# Altium PCB SmartHaloFF.PcbDoc (part 3 of 4) (continued)
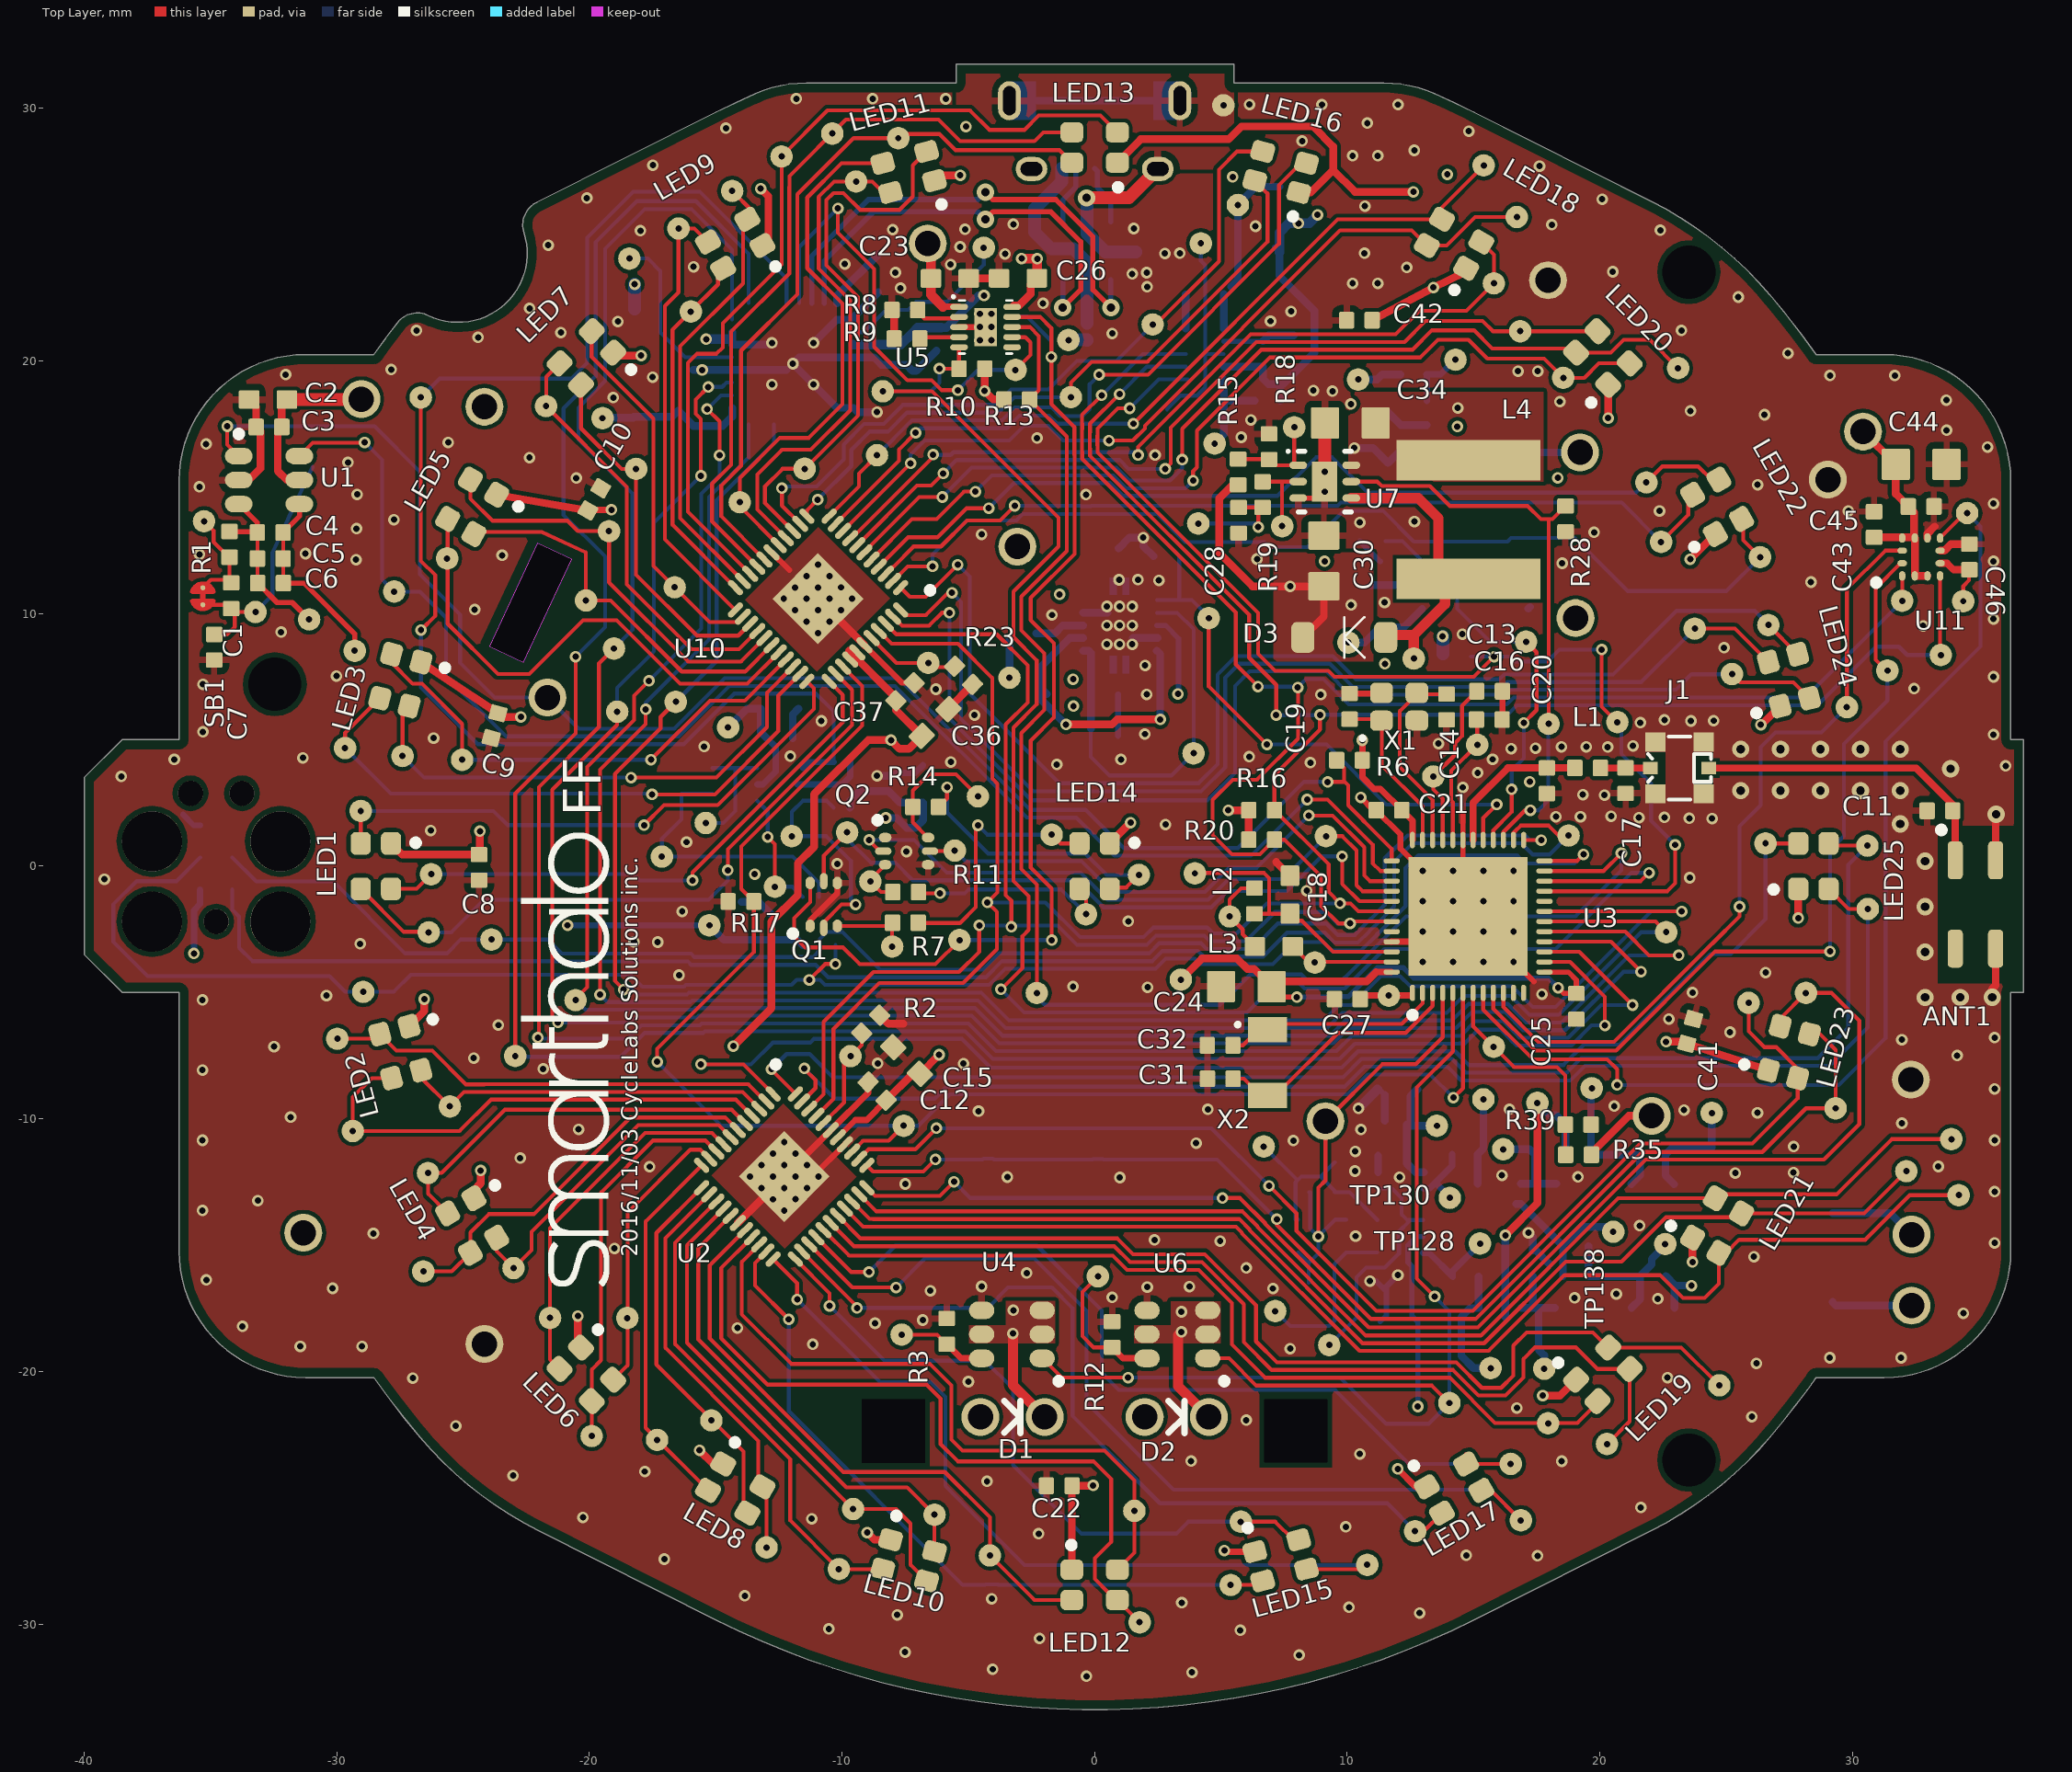
[diagram p0: Top Layer view]
## Nets (pads, with @x,y where several pads share a name; then routed paths per layer and width w, separated by ;. In a path a pad name is that pad's centre, name@x,y a point inside that pad or via, vN(x,y) a via of type N, cw(c..) or ccw(c..) an arc to the next point about the centre after c; other vN are vias at no path point) (continued)
  Bottom Layer w0.152: TP83.1@-29.67,4.676 -27.861,2.868 v1@-17.546,2.868
OUT70: LED1.2 TP82.1 U10.33 | length 22.6
  Top Layer w0.152: TP82.1@-29.05,2.184 LED1.2@-29.05,0.9 LED1.2@-29.019,0.93 ; v1(-17.836,1.626) -17.043,2.418 -14.922,2.418 -11.115,6.226 -11.115,7.037 U10.33@-11.392,7.314
  Bottom Layer w0.152: TP82.1@-29.05,2.184 -23.795,2.184 -23.236,1.626 v1(-17.836,1.626)
OUT71: LED1.4 TP81.1 U10.34 | length 22.8
  Top Layer w0.152: LED1.4@-27.85,-0.9 -26.844,-0.9 TP81.1@-26.261,-0.318 ; v1(-15.918,-0.561) -15.918,-0.249 -9.975,5.695 -9.975,6.78 U10.34@-10.501,7.307
  Bottom Layer w0.152: TP81.1@-26.261,-0.318 -18.245,-0.318 -18.001,-0.561 v1(-15.918,-0.561)
OUT72: LED1.3 TP80.1 U10.35 | length 26.6
  Top Layer w0.152: LED1.3@-29.05,-0.9 -27.352,-2.598 -26.38,-2.598 TP80.1@-26.36,-2.619 ; v1(-14.521,-0.16) -14.521,0.674 -9.606,5.589 -9.606,6.978 U10.35@-10.243,7.614
  Bottom Layer w0.152: TP80.1@-26.36,-2.619 -25.466,-2.619 -24.178,-1.331 -15.283,-1.331 -14.521,-0.569 v1(-14.521,-0.16)
P0.09/NFC1: U3.11
P0.10/NFC2: U3.12
P\G\: R10.1 TP149.1 U3.22 U5.5 | length 67.2
  Top Layer w0.152: TP149.1@-8.385,18.799 -6.441,18.799 -1.433,13.79 -1.433,12.654 -3.213,10.874 -3.213,9.07 -2.297,8.154 -2.297,6.401 -3.213,5.485 -3.213,-0.584 -2.614,-1.184 -2.614,-2.523 -2.855,-2.764 -2.855,-4.028 v1(-3.706,-4.879) ; v1(-6.144,19.693) R10.1@-5.37,19.693 U5.5@-5.37,20.539 ; U3.22@17.805,-0.591 21.616,-0.591 v1(21.943,-0.264)
  Bottom Layer w0.152: TP149.1@-8.385,18.799 -6.48,18.799 -6.144,19.134 v1(-6.144,19.693) ; v1(-3.706,-4.879) -2.789,-5.796 6.032,-5.796 7.234,-4.595 8.061,-4.595 8.305,-4.839 9.901,-4.839 10.196,-4.544 10.202,-4.544 11.467,-3.279 18.24,-3.279 21.255,-0.264 v1(21.943,-0.264)
PRETERM: R9.1 U5.4 | length 1.6
  Top Layer w0.152: R9.1@-6.919,20.881 -6.859,20.941 U5.4@-5.368,20.941
QTOUCH: R6.1 TP100.1 U1.1 U3.37 | length 63.7
  Top Layer w0.152: v1(-34.333,17.417) -34.333,16.69 U1.1@-33.878,16.235 ; v1(9.225,3.335) 9.878,3.335 ; R6.1@9.581,4.194 9.878,3.896 9.878,3.335 ; U3.37@11.755,0.209 11.755,0.686 10.915,1.526 10.914,1.526 10.784,1.656 10.612,1.827 10.612,1.829 10.033,2.408 10.033,3.2 9.888,3.345 9.878,3.335
  Bottom Layer w0.152: v1(-34.333,17.417) -28.504,17.417 -26.708,15.621 -26.708,11.549 -25.116,9.957 -25.116,8.049 -23.741,6.675 TP100.1@-21.659,6.675 -20.424,5.441 -16.64,5.441 -14.638,7.442 -7.776,7.442 -2.564,2.23 -0.363,2.23 1.151,0.716 5.664,0.716 8.293,3.345 8.303,3.335 v1(9.225,3.335)
R\E\S\E\T\: R32.1 R33.2 TP152.1 U16.18 | length 6.9
  Bottom Layer w0.152: U16.18@-9.548,21.141 -9.134,21.141 -8.253,22.021 -7.384,22.021 R33.2@-7.069,22.337 -5.857,22.337 -4.389,23.805 TP152.1@-4.389,24.481
RF: C17.2 J1.1 L1.2 | length 2
  Top Layer w0.285: L1.2@20.023,3.886 J1.1@21.99,3.886
RTS: TP142.1 U3.15 U16.8 | length 92.9
  Top Layer w0.152: v1(-22.04,-6.784) -21.999,-6.744 -21.999,3.132 -19.621,5.509 -19.621,8.021 TP142.1@-19.027,8.616 ; U3.15@17.805,-3.391 19.185,-3.391 v1(21.293,-5.499)
  Bottom Layer w0.152: v1(-22.04,-6.784) -22.04,-6.822 -18.473,-6.822 -17.948,-6.297 -15.626,-6.297 -15.557,-6.228 -4.995,-6.228 -3.903,-7.32 9.575,-7.32 10.177,-6.718 14.306,-6.718 14.311,-6.713 14.491,-6.713 15.065,-6.139 16.171,-6.139 16.774,-6.743 16.774,-6.748 16.823,-6.797 18.746,-6.797 20.044,-5.499 v1(21.293,-5.499) ; TP142.1@-19.027,8.616 -18.296,9.347 -18.296,14.757 -20.437,16.899 -20.437,18.148 -19.378,19.207 -19.378,24.435 -17.81,26.002 -15.949,26.002 -14.348,24.401 U16.8@-14.348,21.641
RXD: TP144.1 U3.19 U16.30 | length 75.8
  Top Layer w0.152: v1(-18.641,-4.882) -18.986,-4.536 -18.986,3.647 -17.181,5.453 -17.181,5.905 TP144.1@-16.581,6.505 ; U3.19@17.805,-1.791 v1(23.239,-1.791)
  Bottom Layer w0.152: v1(-18.641,-4.882) -18.23,-4.882 -18.034,-5.077 -16.131,-5.077 -16.062,-5.009 -4.49,-5.009 -3.398,-6.101 9.07,-6.101 9.672,-5.499 10.181,-5.499 11.326,-4.354 12.086,-4.354 12.49,-4.757 16.513,-4.757 17.334,-5.578 18.241,-5.578 22.028,-1.791 v1(23.239,-1.791) ; TP144.1@-16.581,6.505 -14.963,8.123 -14.963,14.483 -12.698,16.748 U16.30@-12.698,17.491
S2V8: C2.1 C3.1 C29.1 C33.1 C38.1 C40.1 C47.1 TP16.1 TP17.1 TP18.1 U1.5 U8.5 U9.5 U12.5 | length 114.1
  Top Layer w0.305: C2.1@-31.971,18.471 -32.174,18.268 C3.1@-32.174,17.386 -32.333,17.228 -32.333,15.642 -31.975,15.285 U1.5@-31.478,15.285
  Top Layer w0.508: C2.1@-31.971,18.471 TP18.1@-28.971,18.471
  Power Plane w0.508: TP18.1@-29.025,18.489 -30.416,17.097 -30.416,11.164 -12.846,-6.406 12.345,-6.406 ; v1(12.791,-21.389) 12.791,-12.585 13.546,-11.83 TP17.1@13.546,-10.277 12.345,-9.076 12.345,-5.627 12.494,-5.478 12.494,-4.773 12.345,-4.624 12.345,5.045 14.097,6.797 17.554,6.797 19.035,8.278 TP16.1@19.035,9.82
  Bottom Layer w0.203: v1@12.796,-21.384 C40.1@12.796,-18.034 12.564,-17.802 C38.1@12.564,-16.834 12.564,-15.846 12.403,-15.684 12.403,-15.009 12.755,-14.656 U9.5@12.996,-14.656
  Bottom Layer w0.305: C33.1@12.357,-10.277 TP17.1@13.546,-10.277 ; C33.1@12.357,-10.219 12.357,-11.77 12.699,-12.112 U8.5@13.025,-12.112 ; C33.1@12.497,-10.079 12.497,-9.113 C29.1@12.771,-8.839 ; C47.1@17.165,10.198 C47.1@17.231,10.264
S\L\E\E\P\: TP146.1 U3.14 U16.9 | length 93.6
  Top Layer w0.152: TP146.1@-22.934,-7.516 -22.934,2.868 -20.546,5.255 v1(-20.546,8.291) ; U3.14@17.805,-3.791 18.818,-3.791 20.198,-5.172 v1(20.198,-6.304)
  Bottom Layer w0.152: TP146.1@-22.934,-7.516 -22.901,-7.549 -18.753,-7.549 -17.805,-6.601 -15.5,-6.601 -15.431,-6.533 -5.121,-6.533 -4.029,-7.625 9.701,-7.625 10.303,-7.023 14.432,-7.023 14.437,-7.018 14.638,-7.018 15.182,-6.474 16.075,-6.474 16.469,-6.869 16.469,-6.875 16.697,-7.102 18.872,-7.102 19.67,-6.304 v1(20.198,-6.304) ; v1(-20.546,8.291) -19.38,9.456 -19.38,12.258 -21.026,13.904 -21.026,18.118 -19.751,19.393 -19.751,24.699 -18.123,26.327 -15.781,26.327 -13.698,24.244 U16.9@-13.698,22.291
SCL: R20.1 TP63.1 U2.42 U3.43 U10.42 U11.1 U14.3 | length 110.3
  Top Layer w0.152: U2.42@-11.296,-9.599 -10.729,-9.032 -10.729,-6.162 -8.755,-4.188 -5.37,-4.188 -4.567,-3.386 v1(-4.567,-2.349) ; U10.42@-8.263,9.594 -7.848,9.18 -3.879,9.18 -2.652,7.953 -2.652,6.477 -3.518,5.611 -3.518,-1.146 -3.297,-1.367 v1(-3.297,-2.398) ; v1(0.279,18.641) -0.498,17.864 -0.498,17.513 -0.49,17.505 -0.49,17.297 -0.498,17.29 -0.498,16.406 -0.49,16.398 -0.49,16.121 5.588,10.043 5.588,7.986 v1(6.467,7.107) ; v1(8.037,7.076) 8.049,7.064 8.049,5.049 6.422,3.421 5.464,3.421 4.671,2.629 4.671,1.234 5.438,0.467 6.538,0.467 R20.1@7.117,1.046 7.511,1.046 8.961,-0.404 8.961,-1.582 9.644,-2.266 v1(10.109,-2.266) 10.184,-2.191 U3.43@11.755,-2.191 ; TP63.1@31.965,10.504 U11.1@31.965,11.49
  Bottom Layer w0.152: v1(-4.567,-2.349) -3.411,-2.349 v1@-3.287,-2.225 ; v1@-3.297,-2.235 v1(-3.297,-2.398) -3.254,-2.355 -1.46,-2.355 -0.701,-3.114 2.067,-3.114 2.433,-2.748 4.344,-2.748 4.565,-2.969 5.982,-2.969 7.137,-1.814 9.143,-1.814 9.595,-2.266 v1(10.109,-2.266) ; v1(0.279,18.641) 1.911,20.273 U14.3@3.608,20.273 ; v1(6.467,7.107) 8.067,7.107 8.364,7.404 9.05,7.404 10.053,6.401 16.308,6.401 16.584,6.678 28.138,6.678 TP63.1@31.965,10.504
SDA: R16.1 TP62.1 U2.41 U3.42 U10.41 U11.4 U14.2 | length 104.3
  Top Layer w0.152: U2.41@-11.013,-9.882 -10.338,-9.206 -10.338,-6.441 -8.522,-4.625 -5.204,-4.625 -3.868,-3.289 -3.868,-1.811 v1(-4.244,-1.435) -3.851,-1.041 -3.851,3.264 -4.054,3.467 -4.054,7.447 -5.408,8.801 -8.035,8.801 U10.41@-8.546,9.311 ; v1(0.986,18.687) -0.185,17.516 -0.185,17.171 -0.193,17.163 -0.193,16.532 -0.185,16.525 -0.185,16.248 6.114,9.948 6.114,8.252 7.188,7.178 v1(7.188,5.979) ; v1(8.92,5.992) 8.92,5.41 7.117,3.607 R16.1@7.117,2.215 9.266,0.066 9.266,-1.024 v1(9.716,-1.473) 10.125,-1.473 10.443,-1.791 U3.42@11.755,-1.791 ; TP62.1@33.465,8.778 U11.4@33.465,11.49
  Bottom Layer w0.152: v1(-4.244,-1.435) -1.948,-1.435 -0.574,-2.809 1.941,-2.809 2.319,-2.431 4.457,-2.431 4.691,-2.664 5.623,-2.664 6.814,-1.473 v1(9.716,-1.473) ; v1(0.986,18.687) 2.071,19.773 U14.2@3.608,19.773 ; v1(7.188,5.979) 8.745,5.979 8.76,5.994 8.842,5.913 v1(8.92,5.992) 16.33,5.992 16.711,6.373 28.611,6.373 30.927,8.689 31.831,8.689 32.161,8.359 TP62.1@33.495,8.359
SDB: R17.2 TP115.1 U2.36 U3.6 U10.36 | length 60.3
  Top Layer w0.152: v1(-17.315,-7.742) -17.315,-7.226 -13.49,-3.401 R17.2@-13.49,-1.397 -13.983,-0.904 -13.983,0.781 -9.197,5.567 -9.197,7.135 U10.36@-9.96,7.897 ; U2.36@-9.599,-11.296 -9.172,-10.869 -8.153,-10.869 TP115.1@-7.559,-10.274 ; v1(14.204,-9.164) 14.58,-8.788 U3.6@14.58,-5.016
  Bottom Layer w0.152: v1(-17.315,-7.742) -14.783,-10.274 TP115.1@-7.559,-10.274 -6.973,-10.274 -5.733,-9.035 10.016,-9.035 10.808,-8.242 13.282,-8.242 v1(14.204,-9.164)
SNS_N: C4.2 C5.2 C6.2 TP102.1 U1.4 | length 7.5
  Top Layer w0.152: C6.2@-32.117,11.431 C4.2@-32.117,13.213
  Top Layer w0.203: C4.2@-32.117,13.213 -31.478,13.853 U1.4@-31.478,14.335 ; C6.2@-32.113,11.204 -31.295,11.204 -29.289,9.197 TP102.1@-29.289,8.527
SNS_P: C4.1 C5.1 C6.1 R1.1 TP103.1 U1.3 | length 7.3
  Top Layer w0.152: C6.1@-33.14,11.204 C5.1@-33.14,12.177 ; C5.1@-33.14,12.301 C5.1@-33.14,12.177 ; C4.1@-33.14,13.206 C5.1@-33.14,12.177
  Top Layer w0.203: R1.1@-34.244,13.246 -33.181,13.246 C4.1@-33.14,13.206 -33.14,13.597 U1.3@-33.878,14.335 ; C6.1@-33.129,11.204 -32.362,10.437 -31.76,10.437 TP103.1@-31.092,9.769
SWDCLK: J7.4 TP79.1 U3.25 | length 59.8
  Top Layer w0.152: U3.25@16.98,1.034 v1(17.673,1.034)
  Bottom Layer w0.152: J7.4@-34.135,0.345 -33.183,-0.607 -30.137,-0.607 -27.29,-3.454 -25.641,-3.454 -25.09,-2.903 TP79.1@-23.876,-2.903 -21.651,-2.903 -21.092,-3.462 -15.978,-3.462 -15.84,-3.6 -11.149,-3.6 -10.874,-3.325 -10.874,-2.881 -10.599,-2.606 -9.98,-2.606 -8.491,-4.094 -4.43,-4.094 -3.79,-3.454 2.158,-3.454 2.559,-3.053 4.217,-3.053 4.438,-3.274 6.248,-3.274 7.254,-2.268 9.167,-2.268 9.622,-2.723 10.299,-2.723 10.566,-2.455 10.566,-2.447 10.953,-2.06 10.962,-2.06 11.483,-1.538 11.483,0.318 12.388,1.222 17.043,1.222 17.231,1.034 v1(17.673,1.034)
SWDIO: J7.2 TP77.1 U3.26 | length 62.5
  Top Layer w0.152: U3.26@16.58,1.034 16.58,1.323 16.646,1.389 16.652,1.389 16.652,1.395 16.862,1.605 17.969,1.605 18.36,1.214 TP77.1@18.758,1.214
  Bottom Layer w0.152: J7.2@-34.135,-0.925 -34.135,-1.72 -33.861,-1.994 -33.861,-3.233 -33.335,-3.759 -21.226,-3.759 -21.218,-3.767 -16.105,-3.767 -15.966,-3.905 -11.041,-3.905 -10.547,-4.399 -4.303,-4.399 -3.663,-3.759 2.284,-3.759 2.686,-3.358 4.091,-3.358 4.312,-3.579 6.675,-3.579 7.62,-2.634 9.102,-2.634 9.495,-3.028 10.425,-3.028 10.871,-2.581 10.871,-2.573 11.08,-2.365 11.088,-2.365 11.859,-1.593 11.859,0.18 12.588,0.909 16.891,0.909 17.338,0.462 18.006,0.462 TP77.1@18.758,1.214
SYNC/MODE: TP101.1 U1.6 U3.38 | length 58.6
  Top Layer w0.152: U1.6@-31.478,16.235 -30.954,16.759 -28.865,16.759 -28.882,16.777 v1(-28.895,16.777) ; v1(8.415,2.637) 9.219,2.637 11.008,0.847 11.008,0.107 11.306,-0.191 U3.38@11.755,-0.191
  Bottom Layer w0.152: v1(-28.895,16.777) -28.204,16.086 -28.204,11.346 TP101.1@-27.727,10.869 -26.703,10.869 -25.669,9.835 -25.669,7.516 -23.289,5.136 -16.467,5.136 -14.465,7.137 -7.902,7.137 -2.688,1.923 -1.946,1.923 -1.944,1.92 -0.729,1.92 0.78,0.411 6.19,0.411 v1(8.415,2.637)
TS: Q1.6 RT1.2 TP111.1 U5.9 | length 44.1
  Top Layer w0.152: Q1.6@-11.259,-0.666 -11.259,-1.424 -11.895,-2.06 -11.895,-2.784 -11.463,-3.216 -9.967,-3.216 -9.299,-3.884 -6.307,-3.884 TP111.1@-5.349,-2.926 ; U5.9@-3.267,21.742 U5.9@-3.268,21.741 -2.155,21.741 -1.714,21.301 v1(-1.714,20.157) -1.714,18.298 -0.803,17.386 -0.803,16.28 -0.795,16.272 -0.795,14.901 -0.798,14.899 -0.798,14.52 -0.795,14.517 -0.795,12.355 -2.53,10.62 -2.53,9.741 -1.61,8.821 -1.61,5.888 -2.53,4.968 -2.53,-0.053 -1.697,-0.886 v1(-1.697,-2.926)
  Bottom Layer w0.152: TP111.1@-5.349,-2.926 v1(-1.697,-2.926) ; RT1.2@-3.162,21.768 -2.69,21.768 -1.714,20.792 v1(-1.714,20.157)
TXD: TP145.1 U3.17 U16.2 | length 79.1
  Top Layer w0.152: TP145.1@-20.544,-5.304 -20.544,-5.247 -20.086,-4.79 -20.086,3.927 -18.227,5.786 -18.227,6.754 v1(-17.645,7.337) ; v1(-15.337,18.095) -14.849,17.607 v1(-14.849,16.266) ; U3.17@17.805,-2.591 21.004,-2.591 21.941,-3.528 v1(23.122,-3.528)
  Bottom Layer w0.152: TP145.1@-20.544,-5.304 -20.16,-5.687 -15.878,-5.687 -15.81,-5.618 -4.743,-5.618 -3.65,-6.711 9.322,-6.711 9.924,-6.109 14.053,-6.109 14.058,-6.104 14.153,-6.104 14.803,-5.453 16.347,-5.453 17.081,-6.187 18.494,-6.187 21.153,-3.528 v1(23.122,-3.528) ; v1(-17.645,7.337) -15.573,9.409 -15.573,14.736 -14.849,15.459 v1(-14.849,16.266) ; v1(-15.337,18.095) -14.791,18.641 U16.2@-14.348,18.641
U\S\B\R\E\S\E\T\: J7.3 TP78.1 U3.24 U20.4 | length 72.8
  Top Layer w0.152: v1(-11.295,-4.503) -10.663,-3.872 v1(-10.258,-3.872) ; U3.24@17.805,0.209 19.096,0.209 v1(19.355,0.467)
  Bottom Layer w0.152: J7.3@-35.405,0.345 -36.345,-0.594 -37.927,-0.594 -38.844,-1.511 -38.844,-2.992 -37.48,-4.356 -30.287,-4.356 -29.667,-4.976 TP78.1@-28.951,-4.976 -27.742,-4.976 -27.066,-4.3 -18.38,-4.3 -17.908,-4.773 -16.257,-4.773 -16.189,-4.704 -11.994,-4.704 -11.793,-4.503 v1(-11.295,-4.503) -10.874,-4.503 -10.673,-4.704 -4.177,-4.704 -3.537,-4.064 2.41,-4.064 2.812,-3.663 3.965,-3.663 4.186,-3.884 7.056,-3.884 7.93,-3.01 9.046,-3.01 9.369,-3.332 10.551,-3.332 11.176,-2.708 11.176,-2.699 11.206,-2.67 11.214,-2.67 12.304,-1.58 12.304,-0.079 12.812,0.429 16.723,0.429 17.046,0.107 18.994,0.107 v1(19.355,0.467) ; v1(-10.258,-3.872) U20.4@-10.258,-3.122
USB_D_N: U16.15 U17.6 | length 17.4
  Top Layer w0.203: v2(-4.328,25.608) -4.031,25.905 -1.735,25.905 -0.551,24.722 -0.551,22.819 v2(-1.262,22.108)
  Bottom Layer w0.203: U16.15@-10.698,22.291 -10.698,23.963 -8.755,25.905 -4.625,25.905 v2(-4.328,25.608) ; v2(-1.262,22.108) -1.257,22.113 U17.6@-1.257,23.211
USB_D_P: U16.14 U17.4 | length 19
  Top Layer w0.203: v2(-4.328,26.685) -4.031,26.388 -1.535,26.388 -0.069,24.922 -0.069,22.819 v2(0.643,22.108)
  Bottom Layer w0.203: U16.14@-11.198,22.291 -11.198,24.145 -8.955,26.388 -4.625,26.388 v2(-4.328,26.685) ; v2(0.643,22.108) 0.643,22.51 U17.4@0.643,23.211
USBD_IN_N: J5.2 U17.1 | length 2.4
  Bottom Layer w0.203: U17.1@-1.257,25.511 -1.257,26.366 -0.752,26.872 -0.752,27.523 J5.2@-0.65,27.625
USBD_IN_P: J5.3 U17.3 | length 2.4
  Bottom Layer w0.203: J5.3@0,27.625 0.102,27.523 0.102,26.872 0.643,26.33 U17.3@0.643,25.511
USBGND: J5.0 J5.5 NT6.1 TP176.1 U17.2 | length 12.2
  Top Layer w0.508: v2(-0.325,26.454) 1.354,26.454 J5.0@2.5,27.6
  Bottom Layer w0.305: J5.0@-2.6,30.3 J5.0@-1,30.3 J5.0@1,30.3 J5.0@2.6,30.3
  Bottom Layer w0.508: v2@-0.307,26.472 U17.2@-0.307,25.511 -0.307,25.037 0.422,24.308 NT6.1@1.633,24.308
VAUX: C55.1 TP171.1 U15.1 U15.7 | length 15.8
  Bottom Layer w0.152: C55.1@-0.15,5.451 -0.15,4.333 0.594,3.589 3.038,3.589 TP171.1@3.917,4.468 3.917,9.383 3.269,10.03 U15.7@2.463,10.03
  Bottom Layer w0.305: U15.1@-0.462,8.53 -0.237,8.53 -0.15,8.443 C55.1@-0.15,5.451
VBAT: C26.1 C34.1 C48.1 C50.1 C51.1 C52.1 C54.1 J4.2 L4.1 L5.1 R4.2 R38.1 TP1.1 TP21.1 TP22.1 U5.10 U7.6 U12.1 U13.1 U14.9 U15.5 U15.8 | length 32.6
  Top Layer w0.254: U5.10@-3.268,22.141 U5.10@-3.209,22.2
  Top Layer w0.305: U5.10@-3.209,22.2 -2.984,22.2 -2.53,22.654 -2.53,23.025 C26.1@-2.283,23.271
  Top Layer w0.381: v1@-2.883,24.044 v1(-2.273,24.044) ; C26.1@-2.283,23.271 v1@-2.283,24.033
  Power Plane w0.203: v1(3.294,6.817) 3.294,8.684
  Power Plane w0.305: 11.234,18.136 v1(14.371,18.136)
  Bottom Layer w0.203: U15.8@2.463,9.53 2.805,9.53 3.322,9.013 3.322,6.845 v1(3.294,6.817) ; J4.2@7.109,24.501 J4.2@7.31,24.3
  Bottom Layer w0.305: U14.9@5.109,19.774 C51.1@6.665,19.774 6.665,19.291 6.871,19.086 7.463,19.086 C50.1@7.884,19.507 8.7,20.323 8.7,21.984 7.31,23.373 J4.2@7.31,24.3 ; R38.1@7.358,18.428 7.358,18.981 ; TP1.1@10.041,8.854 10.691,8.854 C48.1@11.298,9.461 12.246,9.461 U12.1@12.968,10.183 ; v1(10.279,16.553) 11.019,16.553 C52.1@11.612,15.96 12.168,16.516 U13.1@13.148,16.516 ; TP22.1@10.429,19.266 11.184,19.266 11.387,19.469 R4.2@12.113,19.469
  Bottom Layer w0.381: J4.2@7.31,24.3 7.31,25.075 7.683,25.448 v1(8.07,25.448) 8.494,25.448 v1(8.826,25.781)
  other v1: -1.384,10.757 -2.891,24.051
VBUS: J5.1 NT1.1 U17.5 | length 7.9
  Bottom Layer w0.508: J5.1@-1.3,27.625 -1.3,27.105 -2.377,26.027 -2.377,25.1 -1.712,24.435 -0.838,24.435 -0.307,23.904 U17.5@-0.307,23.211 NT1.1@-0.307,21.496
VBZ: C30.1 C71.1 D3.1 Q3.4 Q4.4 R5.2 R15.2 R21.2 R35.2 TP3.1 TP4.1 | length 58
  Top Layer w0.305: R15.2@5.679,15.095 5.464,15.095 4.935,14.567 4.935,12.393 6.248,11.079 v1(7.742,11.079) C30.1@9.073,11.079 9.073,9.888 D3.1@8.242,9.058 ; R35.2@19.662,-11.425 19.662,-11.356 21.138,-9.881 TP3.1@21.735,-9.881
  Power Plane w0.457: v1(10.155,10.34) 10.155,11.062
  Power Plane w0.508: v1(7.742,11.079) 16.393,11.079 18.014,12.7 18.908,12.7 25.156,6.452 25.156,5.367 24.618,4.829 24.618,2.84 25.138,2.319 25.138,0.843 24.43,0.135 TP4.1@24.43,-9.771
  Bottom Layer w0.305: R5.2@22.606,-16.238 22.606,-16.226 22.984,-16.604 v1(23.625,-16.604) ; Q4.4@22.938,-12.591 22.596,-12.249 R21.2@22.596,-11.422 22.89,-11.128 C71.1@24.43,-11.128 TP4.1@24.43,-9.771 ; Q3.4@22.948,-17.486 22.948,-16.58
VBZ_EN: R28.1 TP161.1 U3.27 U7.5 | length 23.1
  Top Layer w0.152: U7.5@10.158,15.222 11.186,15.222 11.363,15.045 13.268,15.045 14.056,14.257 17.14,14.257 17.658,13.739 18.123,13.739 R28.1@18.639,14.254 ; U3.27@16.18,1.034 16.18,1.354 17.036,2.21 v1(17.244,2.21) ; TP161.1@17.968,5.636 17.968,13.739
  Bottom Layer w0.152: v1(17.244,2.21) 17.572,2.21 17.96,2.598 17.96,5.636 TP161.1@17.968,5.636
VBZ_SENSE: R35.1 R39.2 TP178.1 U3.7 | length 8.9
  Top Layer w0.152: U3.7@14.98,-5.016 14.98,-6.332 16.601,-7.953 18.298,-7.953 18.631,-8.285 R39.2@18.631,-10.234 R35.1@18.631,-11.41
VCCD: C57.1 U16.16 | length 2.6
  Bottom Layer w0.305: U16.16@-10.198,22.291 -10.198,22.578 C57.1@-8.562,24.214
VDD_NRF: C21.1 C24.1 C25.1 C43.1 C44.1 C45.1 C49.1 C59.1 C60.1 C65.1 C66.1 C67.1 C68.1 C69.1 C70.1 J7.1 R6.2 R10.2 R13.1 R16.2 R20.2 R30.2 TP10.1 TP11.1 TP12.1 TP13.1 TP14.1 TP15.1 U3.13 U3.36 U3.48 U11.2 U11.3 U11.9 U11.10 U13.5 U16.1 U18.5 U19.5 U20.5 | length 218.3
  Top Layer w0.203: C24.1@7.374,-5.136 7.328,-5.182 v1(8.001,-5.182) ; U3.13@17.805,-4.191 18.751,-4.191 19.065,-4.506 C25.1@19.065,-5.039 18.57,-5.039 v1(18.346,-4.816)
  Top Layer w0.254: v1(10.597,4.983) R6.2@10.597,4.194 10.597,3.518 11.054,3.061 11.316,3.061 C21.1@12.162,2.215 12.58,1.796 U3.36@12.58,1.034 ; 11.143,-4.191 U3.48@11.755,-4.191
  Top Layer w0.305: R10.2@-4.354,19.693 v1(-4.354,18.814) -4.016,18.476 R13.1@-3.592,18.476 ; TP12.1@3.411,-4.493 4.247,-3.658 5.631,-3.658 6.043,-4.069 6.307,-4.069 C24.1@7.008,-4.77 7.211,-4.567 10.767,-4.567 11.143,-4.191 ; v1(5.293,2.215) R16.2@6.101,2.215 R20.2@6.101,1.046 ; TP10.1@30.414,17.203 C44.1@31.711,15.906 31.711,14.733 C45.1@32.207,14.237 32.437,14.007 32.437,13.018 C43.1@30.851,13.018 ; U11.9@32.465,12.99 U11.2@32.465,11.49 U11.3@32.965,11.49
  Power Plane w0.254: v1(-35.654,-3.457) -33.223,-5.888 -24.409,-5.888 v1(-20.864,-2.342)
  Power Plane w0.508: TP15.1@-19.291,17.757 -16.581,17.757 -16.144,17.32 -8.365,17.32 -7.976,17.71 -7.976,17.755 -7.63,18.1 -6.609,18.1 -5.946,17.437 -5.626,17.437 v1@-4.249,18.814 ; TP14.1@-14.508,5.486 -14.508,0.909 -15.253,0.165 TP13.1@-15.253,-2.342 -10.767,-2.342 -8.486,-4.623 -5.1,-4.623 -4.293,-3.815 2.733,-3.815 TP12.1@3.411,-4.493 5.225,-4.493 6.655,-3.063 6.655,-0.213 5.293,1.148 v1(5.293,2.215) 8.062,4.983 v1(10.597,4.983) 11.003,4.983 13.777,7.757 v1(13.777,9.098) 13.17,9.705 7.12,9.705 5.255,11.57 5.255,13.188 6.553,14.486 7.963,14.486 9.573,12.875 15.834,12.875 19.215,16.256 TP11.1@19.215,16.38 26.843,16.38 27.666,17.203 TP10.1@30.414,17.203 ; TP14.1@-14.508,5.494 -14.508,11.628 -13.038,13.099 -13.038,17.32 ; v1(-8.265,1.908) -7.457,1.908 -6.756,1.206 -6.756,-4.63
  Bottom Layer w0.203: v1(8.001,-5.182) 9.522,-5.182 9.535,-5.169 10.044,-5.169 11.189,-4.023 12.222,-4.023 12.626,-4.427 17.958,-4.427 v1(18.346,-4.816)
  Bottom Layer w0.254: v1(-35.654,-3.457) -35.654,-1.748 -35.405,-1.499 J7.1@-35.405,-0.925 ; v1(-20.864,-2.342) TP13.1@-15.253,-2.342 ; U19.5@-13.358,3.236 -13.139,3.236 -12.626,3.749 -12.626,4.719 C67.1@-12.964,5.057
  Bottom Layer w0.305: TP15.1@-19.291,17.757 -18.263,17.757 C60.1@-18.235,17.785 -16.734,17.785 C59.1@-16.487,18.031 -15.885,17.429 -14.714,17.429 -14.348,17.796 U16.1@-14.348,18.141 ; TP13.1@-15.253,-2.342 -14.679,-2.916 C70.1@-13.974,-2.916 -11.764,-2.916 U20.5@-11.558,-3.122 ; TP14.1@-14.505,5.49 -13.759,6.236 C68.1@-13.221,6.236 -13.221,5.314 C67.1@-12.964,5.057 ; U18.5@-9.681,2.316 -9.681,2.598 -9.304,2.974 -8.167,2.974 C65.1@-7.862,2.67 -7.85,2.67 -7.699,2.519 C66.1@-6.8,2.519 ; v1(-8.265,1.908) -7.838,1.908 -7.45,1.519 -7.094,1.519 -6.79,1.823 C66.1@-6.79,2.51 ; U13.5@15.548,16.516 17.096,16.516 C49.1@17.165,16.446 17.231,16.38 TP11.1@19.215,16.38
  Bottom Layer w0.508: R30.2@13.785,8.4 v1@13.785,9.091
  other v1: 18.334,15.375
VLED: C8.1 C9.1 C10.1 C12.1 C15.1 C22.1 C36.1 C37.1 C41.1 C42.1 C53.1 D1.1 D2.1 LED1.1 LED2.1 LED3.1 LED4.1 LED5.1 LED6.1 LED7.1 LED8.1 LED9.1 LED10.1 LED11.1 LED12.1 LED13.1 LED14.1 LED15.1 LED16.1 LED17.1 LED18.1 LED19.1 LED20.1 LED21.1 LED22.1 LED23.1 LED24.1 LED25.1 TP7.1 TP8.1 U2.38 U10.37 U10.38 U15.2 U15.10 | length 115.3
  Top Layer w0.203: C37.1@-7.867,6.183 C37.1@-7.867,6.542 C37.1@-7.867,6.668
  Top Layer w0.229: U2.38@-10.16,-10.735 -9.468,-10.043
  Top Layer w0.254: C10.1@-20.056,14.079 -20.027,14.107 v1(-19.129,14.107) ; -9.468,-10.043 -9.027,-10.043 C12.1@-8.25,-9.267 ; v1@5.181,-27.134 LED15.1@6.338,-27.134 ; v1(11.999,-23.863) 12.705,-24.569 LED17.1@13.146,-24.569
  Top Layer w0.305: LED1.1@-27.85,0.9 -27.409,0.459 C8.1@-24.366,0.459 -24.331,0.494 v1(-24.331,1.382) ; LED2.1@-27.134,-6.339 -26.533,-5.738 v1(-26.533,-5.263) ; LED3.1@-26.669,8.077 C9.1@-23.62,6.05 -23.478,5.908 v1(-22.71,5.908) ; LED4.1@-24.569,-13.146 -24.569,-12.822 -24.3,-12.553 v1(-24.3,-12.05) ; LED5.1@-23.669,14.704 C10.1@-20.056,14.079 ; v1(-20.455,-17.805) -20.455,-19.045 -20.443,-19.056 LED6.1@-20.33,-19.056 ; LED7.1@-19.057,20.329 -18.944,20.216 v1(-17.948,20.216) ; v1(-15.641,-23.127) -15.099,-23.669 LED8.1@-14.704,-23.669 ; v1(-14.3,-7.127) -12.797,-5.624 -12.797,-2.192 -11.752,-1.147 -11.752,0.118 -11.102,0.767 -11.102,2.85 -8.965,4.987 v1(-8.063,4.987) -7.722,4.646 -7.354,4.646 C36.1@-6.842,5.158 C37.1@-7.867,6.183 ; v1(-13.218,26.822) -12.915,26.519 -12.915,24.715 LED9.1@-13.156,24.475 ; -9.728,8.529 C37.1@-7.867,6.668 ; v1(-9.002,-26.383) -8.716,-26.668 LED10.1@-8.078,-26.669 ; C12.1@-8.337,-9.18 C12.1@-8.319,-9.163 ; C12.1@-8.25,-9.267 -7.208,-8.225 C15.1@-6.914,-8.225 v1(-6.154,-7.465) ; LED11.1@-6.339,27.133 -6.122,27.351 v1(-5.319,27.351) ; v1(-1.135,5.606) 0.683,5.606 0.886,5.808 v1(2.595,5.808) ; LED12.1@-0.9,-27.85 C22.1@-0.9,-24.736 ; C22.1@-0.892,-24.529 v1@-0.069,-24.529 ; LED14.1@0.6,0.9 v1(1.42,1.72) ; LED13.1@0.9,27.85 1.826,28.776 5.304,28.776 5.809,29.281 8.649,29.281 9.441,28.489 9.441,27.562 ; LED16.1@8.077,26.668 8.547,26.668 9.441,27.562 ; C42.1@10.985,21.613 v1(13.411,22.911) 14.648,23.506 LED18.1@14.704,23.668 ; v1(12.619,26.695) 10.307,26.695 9.441,27.562 ; v1(17.737,-20.96) 18.425,-20.96 LED19.1@19.056,-20.329 ; v1(20.329,17.738) LED20.1@20.329,19.056 ; v1(22.616,-6.947) 23.306,-6.947 23.346,-6.987 LED23.1@26.668,-8.078 ; v1(23.571,12.148) LED22.1@24.568,13.146 ; LED21.1@23.608,-14.765 23.663,-14.82 v1(23.663,-15.669) ; v1(26.368,5.598) 26.393,5.598 LED24.1@27.133,6.338 ; v1(27.85,-2.051) LED25.1@27.85,-0.9
  Power Plane w0.305: v1@-13.183,26.787 -12.623,27.346 -12.08,27.346 -12.075,27.351 -10.556,27.351 -9.794,28.113 -8.844,28.113 -8.082,27.351 v1(-5.319,27.351) ; v1(23.663,-15.669) 24.206,-15.669 24.562,-16.025 24.562,-18.961
  Bottom Layer w0.305: C53.1@-2.136,6.878 C53.1@-2.136,7.102 ; C53.1@-2.07,6.81 -2.07,6.54 v1(-1.135,5.606) ; C53.1@-1.892,6.81 -2.07,6.988 -2.07,7.953 -0.993,9.03 U15.2@-0.462,9.03 ; U15.10@2.463,8.53 2.595,8.398 v1(2.595,5.808)
  other v1: 5.138,-27.092 -0.056,-24.516 -0.838,6.337 -0.851,7.399 13.96,27.389
VUSB: C23.1 C56.1 C58.1 NT1.2 R32.2 R36.2 TP19.1 TP20.1 U5.1 U16.19 | length 18.6
  Top Layer w0.254: -6.002,22.141 U5.1@-5.368,22.141
  Top Layer w0.381: TP19.1@-6.609,24.648 -6.482,24.521 C23.1@-6.482,23.264 -6.482,22.621 -6.002,22.141
  Power Plane w0.508: v1(-18.204,23.033) -10.734,23.033
  Bottom Layer w0.33: R32.2@-6.078,21.321 -5.865,21.321 -4.594,22.592 v1(-4.379,22.592)
  Bottom Layer w0.381: U16.19@-9.548,20.641 -7.68,20.641 C56.1@-7.214,21.107 -7,21.321 R32.2@-6.078,21.321
  Bottom Layer w0.508: R36.2@-18.204,22.055 v1(-18.204,23.033) ; TP20.1@-1.074,20.836 NT1.2@-0.34,20.836 ; NT1.2@-0.307,20.831 NT1.2@-0.302,20.825